# Altium PCB PCB2.PcbDoc (part 10 of 16) (continued)
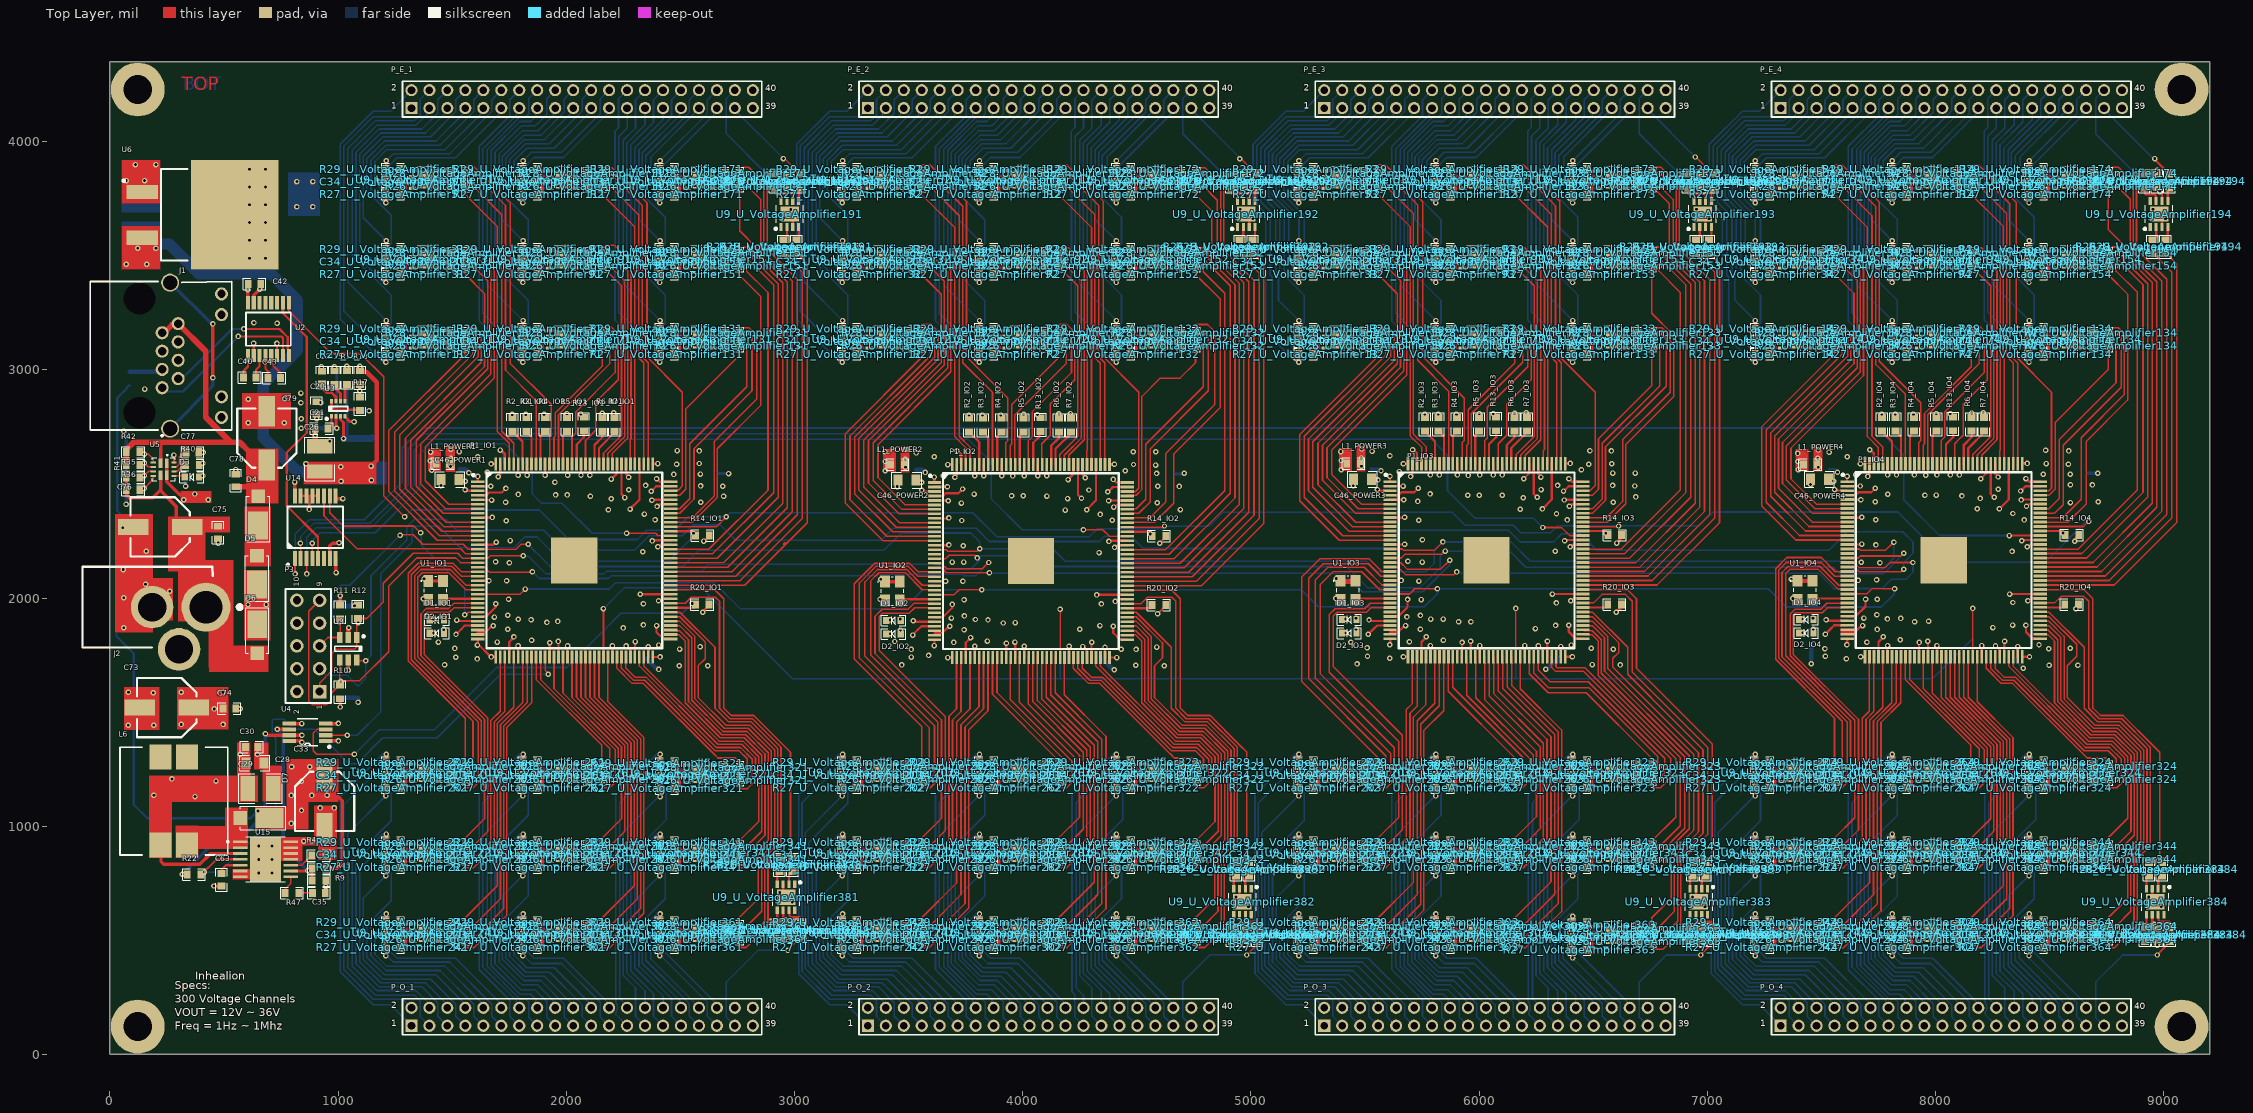
[diagram p0: Top Layer view]
## Nets (pads, with @x,y where several pads share a name; then routed paths per layer and width w, separated by ;. In a path a pad name is that pad's centre, name@x,y a point inside that pad or via, vN(x,y) a via of type N, cw(c..) or ccw(c..) an arc to the next point about the centre after c; other vN are vias at no path point) (continued)
V_F1_IN13: P1_IO1.131 R26_U_VoltageAmplifier71.1 | length 604.6
  Top Layer w7: P1_IO1.131@1946.14,2587.29 1946.14,2703.83 1951.83,2709.51 1951.83,2810.91 2156.63,3015.71 R26_U_VoltageAmplifier71.1@2156.63,3104.72
V_F1_IN14: P1_IO1.124 R28_U_VoltageAmplifier71.1 | length 716.3
  Top Layer w7: P1_IO1.124@2083.94,2587.29 2083.94,2689.63 2129.46,2735.15 2129.46,2858.86 2227.59,2956.99 2227.59,3157.5 2194.91,3190.18 2171.8,3190.18 R28_U_VoltageAmplifier71.1@2159.62,3178
V_F1_IN15: P1_IO1.127 R26_U_VoltageAmplifier81.1 | length 696.4
  Top Layer w7: P1_IO1.127@2024.89,2587.29 2024.89,2705.37 2040.96,2721.44 2040.96,2815.61 2213.59,2988.24 2213.59,3139.68 v1(2191.09,3162.18)
  Bottom Layer w10: R26_U_VoltageAmplifier81.1@2157.09,3162.18 v1(2191.09,3162.18)
V_F1_IN16: P1_IO1.130 R28_U_VoltageAmplifier81.1 | length 645.2
  Top Layer w7: P1_IO1.130@1965.83,2587.29 1965.83,2802.48 2191.09,3027.74 v1(2191.09,3105.18)
  Bottom Layer w10: R28_U_VoltageAmplifier81.1@2157.09,3105.18 v1(2191.09,3105.18)
V_F1_IN17: P1_IO1.120 R26_U_VoltageAmplifier91.1 | length 935.6
  Top Layer w7: R26_U_VoltageAmplifier91.1@2157.09,3455.18 2157.09,3452.68 2241.59,3368.18 2241.59,2713.07 2162.68,2634.16 P1_IO1.120@2162.68,2587.29
V_F1_IN18: P1_IO1.114 R28_U_VoltageAmplifier91.1 | length 1069.9
  Top Layer w7: R28_U_VoltageAmplifier91.1@2157.09,3512.18 2159.71,3514.81 2159.71,3536.08 2169.22,3545.59 2211.26,3545.59 2283.59,3473.26 2283.59,2695.67 2280.79,2692.88 P1_IO1.114@2280.79,2587.29
V_F1_IN19: P1_IO1.118 R26_U_VoltageAmplifier101.1 | length 1019.4
  Top Layer w7: v1(2191.09,3512.18) 2269.59,3433.68 2269.59,2701.47 2202.05,2633.93 P1_IO1.118@2202.05,2587.29
  Bottom Layer w10: R26_U_VoltageAmplifier101.1@2157.09,3512.18 v1(2191.09,3512.18)
V_F1_IN20: P1_IO1.119 R28_U_VoltageAmplifier101.1 | length 958.9
  Top Layer w7: P1_IO1.119@2182.37,2587.29 2182.37,2634.05 2255.59,2707.27 2255.59,3390.68 v1(2191.09,3455.18)
  Bottom Layer w10: R28_U_VoltageAmplifier101.1@2157.09,3455.18 v1(2191.09,3455.18)
V_F1_IN21: P1_IO1.113 R26_U_VoltageAmplifier111.1 | length 1277.7
  Top Layer w7: R26_U_VoltageAmplifier111.1@2156.63,3804.72 2157.09,3804.26 2157.09,3768.18 2300.48,3624.79 2300.48,3050.58 P1_IO1.113@2300.48,2587.29
  Top Layer w10: R26_U_VoltageAmplifier111.1@2156.63,3804.72 R26_U_VoltageAmplifier111.1@2157.09,3805.18
V_F1_IN22: P1_IO1.106 R28_U_VoltageAmplifier111.1 | length 1639.7
  Top Layer w7: R28_U_VoltageAmplifier111.1@2157.09,3862.18 2157.09,3864.68 2157.55,3865.14 2178.49,3886.08 2199.01,3886.08 2353.59,3731.5 2353.59,3056.86 2508.36,2902.09 2508.36,2490.42 2489.99,2472.06 2459.89,2472.06 P1_IO1.106@2457.48,2469.65
  Top Layer w10: R28_U_VoltageAmplifier111.1@2157.09,3862.18 2157.55,3862.64 R28_U_VoltageAmplifier111.1@2157.55,3865.14
V_F1_IN23: P1_IO1.110 R26_U_VoltageAmplifier121.1 | length 1378.7
  Top Layer w7: v1(2191.09,3862.18) 2333.13,3720.14 2333.13,3057.52 2359.53,3031.12 P1_IO1.110@2359.53,2587.29
  Bottom Layer w10: R26_U_VoltageAmplifier121.1@2157.09,3862.18 v1(2191.09,3862.18)
V_F1_IN24: P1_IO1.111 R28_U_VoltageAmplifier121.1 | length 1313.5
  Top Layer w7: v1(2191.09,3805.18) 2317.62,3678.65 2317.62,3053.23 2339.85,3031 P1_IO1.111@2339.85,2587.29
  Bottom Layer w10: R28_U_VoltageAmplifier121.1@2157.09,3805.18 v1(2191.09,3805.18)
V_F1_IN25: P1_IO1.105 R26_U_VoltageAmplifier131.1 | length 802.5
  Top Layer w7: P1_IO1.105@2457.48,2449.97 2497.02,2449.97 2523.55,2476.5 2523.55,2827.89 2757.09,3061.42 R26_U_VoltageAmplifier131.1@2757.09,3105.18
V_F1_IN26: P1_IO1.100 R28_U_VoltageAmplifier131.1 | length 1113.3
  Top Layer w7: P1_IO1.100@2457.48,2351.54 2552.83,2351.54 2647.36,2446.07 2647.36,2684.85 2834.34,2871.83 2834.34,3150.75 2800.41,3184.68 2777.09,3184.68 2757.09,3164.68 R28_U_VoltageAmplifier131.1@2757.09,3162.18
V_F1_IN27: P1_IO1.101 R26_U_VoltageAmplifier141.1 | length 1005
  Top Layer w7: P1_IO1.101@2457.48,2371.23 2497.13,2371.23 2559.56,2433.65 2559.56,2653.81 2813.59,2907.84 2813.59,3139.68 v1(2791.09,3162.18)
  Bottom Layer w10: R26_U_VoltageAmplifier141.1@2757.09,3162.18 v1(2791.09,3162.18)
V_F1_IN28: P1_IO1.102 R28_U_VoltageAmplifier141.1 | length 909.6
  Top Layer w7: P1_IO1.102@2457.48,2390.91 2497.02,2390.91 2540.82,2434.71 2540.82,2675.72 2791.09,2925.99 v1(2791.09,3105.18)
  Bottom Layer w10: R28_U_VoltageAmplifier141.1@2757.09,3105.18 v1(2791.09,3105.18)
V_F1_IN29: P1_IO1.99 R26_U_VoltageAmplifier151.1 | length 1383.1
  Top Layer w7: P1_IO1.99@2457.48,2331.86 2552.95,2331.86 2661.36,2440.27 2661.36,2654.2 2852.85,2845.69 2852.85,3320.67 2756.63,3416.89 2756.63,3454.72 R26_U_VoltageAmplifier151.1@2757.09,3455.18
V_F1_IN30: P1_IO1.91 R28_U_VoltageAmplifier151.1 | length 1786.6
  Top Layer w7: P1_IO1.91@2457.48,2174.38 2457.68,2174.18 2661.83,2174.18 2928.93,2441.28 2928.93,3375.59 2816.03,3488.49 2816.03,3520.56 2799.31,3537.28 2775.99,3537.28 2755.99,3517.28 R28_U_VoltageAmplifier151.1@2755.99,3514.78
  Top Layer w10: R28_U_VoltageAmplifier151.1@2755.99,3514.78 R28_U_VoltageAmplifier151.1@2756.45,3515.24
V_F1_IN31: P1_IO1.92 R26_U_VoltageAmplifier161.1 | length 1698.1
  Top Layer w7: P1_IO1.92@2457.48,2194.06 2457.68,2193.87 2640.64,2193.87 2908.36,2461.58 2908.36,3371.23 2789.99,3489.6 v1@2789.99,3514.78
  Bottom Layer w10: R26_U_VoltageAmplifier161.1@2757.09,3512.18 v1(2791.09,3512.18)
V_F1_IN32: P1_IO1.93 R28_U_VoltageAmplifier161.1 | length 1591.7
  Top Layer w7: P1_IO1.93@2457.48,2213.75 2457.68,2213.55 2624.62,2213.55 2883.87,2472.81 2883.87,3338.32 2789.99,3432.21 v1@2789.99,3457.78
  Bottom Layer w10: R28_U_VoltageAmplifier161.1@2757.09,3455.18 v1(2791.09,3455.18)
V_F1_IN33: P1_IO1.90 R26_U_VoltageAmplifier171.1 | length 2069.1
  Top Layer w7: P1_IO1.90@2457.48,2154.69 2457.68,2154.5 2689.1,2154.5 2948.52,2413.92 2948.52,3381.28 2833.57,3496.22 2833.57,3535.05 2759.39,3609.23 2759.39,3802.87 R26_U_VoltageAmplifier171.1@2757.09,3805.18
V_F1_IN34: P1_IO1.87 R28_U_VoltageAmplifier171.1 | length 2331.4
  Top Layer w7: P1_IO1.87@2457.48,2095.64 2457.68,2095.44 2742.21,2095.44 3012.18,2365.41 3012.18,3395.4 2879.86,3527.72 2879.86,3806.72 2799.31,3887.28 2775.99,3887.28 2755.99,3867.28 R28_U_VoltageAmplifier171.1@2755.99,3864.78
  Top Layer w10: R28_U_VoltageAmplifier171.1@2755.99,3864.78 R28_U_VoltageAmplifier171.1@2756.45,3865.24
V_F1_IN35: P1_IO1.88 R26_U_VoltageAmplifier181.1 | length 2244.3
  Top Layer w7: P1_IO1.88@2457.48,2115.32 2457.68,2115.13 2726.24,2115.13 2989.65,2378.54 2989.65,3388.76 2865.86,3512.55 2865.86,3788.9 v1@2789.99,3864.78
  Bottom Layer w10: R26_U_VoltageAmplifier181.1@2757.09,3862.18 v1(2791.09,3862.18)
V_F1_IN36: P1_IO1.89 R28_U_VoltageAmplifier181.1 | length 2138.4
  Top Layer w7: P1_IO1.89@2457.48,2135.01 2457.68,2134.81 2706.8,2134.81 2968.11,2396.12 2968.11,3384.38 2851.86,3500.62 2851.86,3745.9 v1@2789.99,3807.78
  Bottom Layer w10: R28_U_VoltageAmplifier181.1@2757.09,3805.18 v1(2791.09,3805.18)
V_F1_IN37: P1_IO1.86 R26_U_VoltageAmplifier191.1 | length 1888.6
  Top Layer w7: P1_IO1.86@2457.48,2075.95 2457.68,2075.76 2760.78,2075.76 3034.71,2349.68 3034.71,3427.4 R26_U_VoltageAmplifier191.1@2949.75,3512.36
V_F1_IN38: P1_IO1.85 R28_U_VoltageAmplifier191.1 | length 1915.1
  Top Layer w7: P1_IO1.85@2457.48,2056.27 2457.68,2056.07 2781.97,2056.07 3055.28,2329.38 3055.28,3463.84 R28_U_VoltageAmplifier191.1@3006.75,3512.36
  Top Layer w15: 2956.19,2237.76 2956.87,2237.08
V_F1_IN39: P1_IO1.25 R26_U_VoltageAmplifier201.1 | length 1424.5
  Top Layer w7: R26_U_VoltageAmplifier201.1@1556.63,1204.72 1556.63,1172.28 1560.73,1168.18 1591.41,1168.18 1627.59,1204.36 1627.59,1462.68 1348.98,1741.28 1348.98,2090.73 1368.98,2110.72 1485.94,2110.72 1560.08,2036.58 P1_IO1.25@1611.97,2036.58
  Top Layer w10: R26_U_VoltageAmplifier201.1@1556.63,1204.72 R26_U_VoltageAmplifier201.1@1557.09,1205.18
V_F1_IN40: P1_IO1.21 R28_U_VoltageAmplifier201.1 | length 1288.9
  Top Layer w7: R28_U_VoltageAmplifier201.1@1557.55,1262.64 1557.55,1473.33 1306.98,1723.89 1306.98,2108.12 1351.58,2152.72 1503.34,2152.72 1540.74,2115.32 P1_IO1.21@1611.97,2115.32
  Top Layer w10: R28_U_VoltageAmplifier201.1@1557.09,1262.18 R28_U_VoltageAmplifier201.1@1557.55,1262.64
V_F1_IN41: P1_IO1.22 R26_U_VoltageAmplifier211.1 | length 1309.9
  Top Layer w7: v1(1591.09,1262.18) 1591.09,1459.58 1320.98,1729.69 1320.98,2102.33 1357.38,2138.72 1497.54,2138.72 1540.62,2095.64 P1_IO1.22@1611.97,2095.64
  Bottom Layer w10: R26_U_VoltageAmplifier211.1@1557.09,1262.18 v1(1591.09,1262.18)
V_F1_IN42: P1_IO1.24 R28_U_VoltageAmplifier211.1 | length 1367.1
  Top Layer w7: v1(1591.09,1205.18) 1613.59,1227.68 1613.59,1456.88 1334.98,1735.48 1334.98,2096.53 1363.18,2124.72 1491.74,2124.72 1560.19,2056.27 P1_IO1.24@1611.97,2056.27
  Bottom Layer w10: R28_U_VoltageAmplifier211.1@1557.09,1205.18 v1(1591.09,1205.18)
V_F1_IN43: P1_IO1.39 R26_U_VoltageAmplifier221.1 | length 1050.5
  Top Layer w7: R26_U_VoltageAmplifier221.1@1557.09,855.18 1557.09,822.74 1561.19,818.64 1594.31,818.64 1683.59,907.92 1683.59,1456.28 1729.61,1502.3 P1_IO1.39@1729.61,1741.78
V_F1_IN44: P1_IO1.28 R28_U_VoltageAmplifier221.1 | length 1437.1
  Top Layer w7: R28_U_VoltageAmplifier221.1@1557.09,912.18 1557.55,912.64 1557.55,948.72 1641.59,1032.76 1641.59,1468.48 1362.98,1747.08 1362.98,1930.39 1386.55,1953.96 1484.04,1953.96 1507.61,1977.53 P1_IO1.28@1611.97,1977.53
V_F1_IN45: P1_IO1.29 R26_U_VoltageAmplifier231.1 | length 1437.3
  Top Layer w7: v1(1591.09,912.18) 1655.59,976.68 1655.59,1474.28 1376.98,1752.88 1376.98,1924.59 1389.85,1937.46 1487.34,1937.46 1507.72,1957.84 P1_IO1.29@1611.97,1957.84
  Bottom Layer w10: R26_U_VoltageAmplifier231.1@1557.09,912.18 v1(1591.09,912.18)
V_F1_IN46: P1_IO1.38 R28_U_VoltageAmplifier231.1 | length 969.8
  Top Layer w7: v1(1591.09,855.18) 1669.59,933.68 1669.59,1463.92 1709.92,1504.26 P1_IO1.38@1709.92,1741.78
  Bottom Layer w10: R28_U_VoltageAmplifier231.1@1557.09,855.18 v1(1591.09,855.18)
V_F1_IN47: P1_IO1.45 R26_U_VoltageAmplifier241.1 | length 1451
  Top Layer w7: R26_U_VoltageAmplifier241.1@1557.09,505.18 1557.09,472.74 1561.19,468.64 1596.89,468.64 1739.59,611.34 1739.59,1433.09 1847.72,1541.22 P1_IO1.45@1847.72,1741.78
V_F1_IN48: P1_IO1.41 R28_U_VoltageAmplifier241.1 | length 1267.4
  Top Layer w7: R28_U_VoltageAmplifier241.1@1557.09,562.18 1557.55,562.64 1557.55,598.72 1697.59,738.76 1697.59,1450.48 1768.98,1521.87 P1_IO1.41@1768.98,1741.78
V_F1_IN49: P1_IO1.43 R26_U_VoltageAmplifier251.1 | length 1303.6
  Top Layer w7: v1(1591.09,562.18) 1711.59,682.68 1711.59,1444.68 1808.35,1541.45 P1_IO1.43@1808.35,1741.78
  Bottom Layer w10: R26_U_VoltageAmplifier251.1@1557.09,562.18 v1(1591.09,562.18)
V_F1_IN50: P1_IO1.44 R28_U_VoltageAmplifier251.1 | length 1368.7
  Top Layer w7: v1(1591.09,505.18) 1725.59,639.68 1725.59,1438.88 1828.03,1541.33 P1_IO1.44@1828.03,1741.78
  Bottom Layer w10: R28_U_VoltageAmplifier251.1@1557.09,505.18 v1(1591.09,505.18)
V_F1_IN51: P1_IO1.52 R26_U_VoltageAmplifier261.1 | length 756
  Top Layer w7: P1_IO1.52@1985.51,1741.78 1985.51,1584.06 2227.59,1341.99 2227.59,1206.3 2189.92,1168.64 2161.19,1168.64 2157.09,1172.74 R26_U_VoltageAmplifier261.1@2157.09,1205.18
V_F1_IN52: P1_IO1.46 R28_U_VoltageAmplifier261.1 | length 600.2
  Top Layer w7: P1_IO1.46@1867.4,1741.78 1867.4,1642.77 2154.65,1355.53 2154.65,1264.62 R28_U_VoltageAmplifier261.1@2157.09,1262.18
  Top Layer w10: R28_U_VoltageAmplifier261.1@2157.09,1262.18 R28_U_VoltageAmplifier261.1@2157.55,1262.64
V_F1_IN53: P1_IO1.47 R26_U_VoltageAmplifier271.1 | length 639.5
  Top Layer w7: P1_IO1.47@1887.09,1741.78 1887.09,1642.89 2191.09,1338.89 v1(2191.09,1262.18)
  Bottom Layer w10: R26_U_VoltageAmplifier271.1@2157.09,1262.18 v1(2191.09,1262.18)
V_F1_IN54: P1_IO1.50 R28_U_VoltageAmplifier271.1 | length 690.7
  Top Layer w7: P1_IO1.50@1946.14,1741.78 1946.14,1603.63 2213.59,1336.19 2213.59,1227.68 v1(2191.09,1205.18)
  Bottom Layer w10: R28_U_VoltageAmplifier271.1@2157.09,1205.18 v1(2191.09,1205.18)
V_F1_IN55: P1_IO1.57 R26_U_VoltageAmplifier281.1 | length 1112.8
  Top Layer w7: P1_IO1.57@2083.94,1741.78 2083.94,1564.83 2283.59,1365.18 2283.59,910.32 2191.9,818.64 2161.19,818.64 2157.09,822.74 R26_U_VoltageAmplifier281.1@2157.09,855.18
V_F1_IN56: P1_IO1.54 R28_U_VoltageAmplifier281.1 | length 954.4
  Top Layer w7: P1_IO1.54@2024.89,1741.78 2024.89,1564.49 2241.59,1347.79 2241.59,1032.76 2157.55,948.72 2157.55,912.64 R28_U_VoltageAmplifier281.1@2157.09,912.18
V_F1_IN57: P1_IO1.55 R26_U_VoltageAmplifier291.1 | length 977.7
  Top Layer w7: P1_IO1.55@2044.57,1741.78 2044.57,1564.6 2255.59,1353.59 2255.59,976.68 v1(2191.09,912.18)
  Bottom Layer w10: R26_U_VoltageAmplifier291.1@2157.09,912.18 v1(2191.09,912.18)
V_F1_IN58: P1_IO1.56 R28_U_VoltageAmplifier291.1 | length 1038.2
  Top Layer w7: P1_IO1.56@2064.26,1741.78 2064.26,1564.72 2269.59,1359.39 2269.59,933.68 v1(2191.09,855.18)
  Bottom Layer w10: R28_U_VoltageAmplifier291.1@2157.09,855.18 v1(2191.09,855.18)
V_F1_IN59: P1_IO1.62 R26_U_VoltageAmplifier301.1 | length 1468.7
  Top Layer w7: R26_U_VoltageAmplifier301.1@2156.63,504.72 2156.63,472.28 2160.73,468.18 2189.74,468.18 2339.59,618.03 2339.59,1388.38 2182.37,1545.6 P1_IO1.62@2182.37,1741.78
  Top Layer w10: R26_U_VoltageAmplifier301.1@2156.63,504.72 R26_U_VoltageAmplifier301.1@2157.09,505.18
V_F1_IN60: P1_IO1.58 R28_U_VoltageAmplifier301.1 | length 1318.1
  Top Layer w7: P1_IO1.58@2103.63,1741.78 2103.63,1564.94 2297.59,1370.98 2297.59,738.76 2157.55,598.72 2157.55,562.64 R28_U_VoltageAmplifier301.1@2157.09,562.18
V_F1_IN61: P1_IO1.59 R26_U_VoltageAmplifier311.1 | length 1341.5
  Top Layer w7: P1_IO1.59@2123.31,1741.78 2123.31,1565.06 2311.59,1376.78 2311.59,682.68 v1(2191.09,562.18)
  Bottom Layer w10: R26_U_VoltageAmplifier311.1@2157.09,562.18 v1(2191.09,562.18)
V_F1_IN62: P1_IO1.60 R28_U_VoltageAmplifier311.1 | length 1401.9
  Top Layer w7: P1_IO1.60@2143,1741.78 2143,1565.17 2325.59,1382.58 2325.59,639.68 v1(2191.09,505.18)
  Bottom Layer w10: R28_U_VoltageAmplifier311.1@2157.09,505.18 v1(2191.09,505.18)
V_F1_IN63: P1_IO1.69 R26_U_VoltageAmplifier321.1 | length 934.5
  Top Layer w7: P1_IO1.69@2320.16,1741.78 2320.16,1702.13 2663.23,1359.06 2768.63,1359.06 2828.76,1298.93 2828.76,1199.6 2793.98,1164.82 2762.13,1164.82 2758.03,1168.92 R26_U_VoltageAmplifier321.1@2758.03,1201.36
  Top Layer w10: R26_U_VoltageAmplifier321.1@2757.8,1201.13 R26_U_VoltageAmplifier321.1@2758.26,1201.59
V_F1_IN64: P1_IO1.64 R28_U_VoltageAmplifier321.1 | length 781.4
  Top Layer w7: P1_IO1.64@2221.74,1741.78 2221.74,1692.04 2288.18,1625.59 2337.3,1625.59 2645.83,1317.06 2646.23,1317.06 2664.56,1298.72 2743.06,1298.72 2758.26,1283.52 R28_U_VoltageAmplifier321.1@2758.26,1258.59
  Top Layer w10: R28_U_VoltageAmplifier321.1@2757.55,1259.31 R28_U_VoltageAmplifier321.1@2758.26,1258.59
V_F1_IN65: P1_IO1.65 R26_U_VoltageAmplifier331.1 | length 835.8
  Top Layer w7: P1_IO1.65@2241.42,1741.66 2241.42,1692.15 2293.98,1639.59 2343.1,1639.59 2651.63,1331.06 2757.03,1331.06 2792.26,1295.83 v1(2792.26,1258.59)
  Bottom Layer w10: R26_U_VoltageAmplifier331.1@2758.26,1258.59 v1(2792.26,1258.59)
V_F1_IN66: P1_IO1.66 R28_U_VoltageAmplifier331.1 | length 903.4
  Top Layer w7: P1_IO1.66@2261.11,1741.78 2261.11,1692.26 2299.78,1653.59 2348.9,1653.59 2657.43,1345.06 2762.83,1345.06 2814.76,1293.13 2814.76,1224.09 v1(2792.26,1201.59)
  Bottom Layer w10: R28_U_VoltageAmplifier331.1@2758.26,1201.59 v1(2792.26,1201.59)
V_F1_IN67: P1_IO1.76 R26_U_VoltageAmplifier341.1 | length 1430.6
  Top Layer w7: P1_IO1.76@2457.48,1879.1 2496.09,1879.1 2549.46,1825.73 2549.46,1552.03 2686.43,1415.06 2791.82,1415.06 2884.76,1322.12 2884.76,938.05 2827.89,881.19 2827.89,854.45 2791.63,818.18 2760.73,818.18 2756.63,822.28 R26_U_VoltageAmplifier341.1@2756.63,854.72
  Top Layer w10: R26_U_VoltageAmplifier341.1@2756.63,854.72 R26_U_VoltageAmplifier341.1@2757.09,855.18
V_F1_IN68: P1_IO1.70 R28_U_VoltageAmplifier341.1 | length 1135.8
  Top Layer w7: P1_IO1.70@2339.85,1741.78 2339.85,1702.24 2669.03,1373.06 2774.42,1373.06 2842.76,1304.72 2842.76,1020.81 2757.09,935.13 R28_U_VoltageAmplifier341.1@2757.09,912.18
  Top Layer w10: R28_U_VoltageAmplifier341.1@2757.09,912.18 R28_U_VoltageAmplifier341.1@2757.55,912.64
V_F1_IN69: P1_IO1.74 R26_U_VoltageAmplifier351.1 | length 1236.7
  Top Layer w7: P1_IO1.74@2457.48,1839.73 2493.02,1839.73 2521.46,1811.29 2521.46,1540.43 2674.83,1387.06 2780.22,1387.06 2856.76,1310.52 2856.76,977.85 v1(2791.09,912.18)
  Bottom Layer w10: R26_U_VoltageAmplifier351.1@2757.09,912.18 v1(2791.09,912.18)
V_F1_IN70: P1_IO1.75 R28_U_VoltageAmplifier351.1 | length 1325
  Top Layer w7: P1_IO1.75@2457.48,1859.42 2459.89,1857.01 2495.54,1857.01 2535.46,1817.09 2535.46,1546.23 2680.63,1401.06 2786.02,1401.06 2870.76,1316.32 2870.76,960.03 2791.09,880.36 v1(2791.09,855.18)
  Bottom Layer w10: R28_U_VoltageAmplifier351.1@2757.09,855.18 v1(2791.09,855.18)
V_F1_IN71: P1_IO1.81 R26_U_VoltageAmplifier361.1 | length 2047.1
  Top Layer w7: P1_IO1.81@2457.48,1977.53 2520.88,1977.53 2547.14,2003.79 2653.06,2003.79 2671.26,1985.59 2671.26,1516.86 2717.06,1471.06 2815.59,1471.06 2935.26,1351.39 2935.26,1351.09 2940.76,1345.59 2940.76,914.86 2883.89,857.99 2883.89,564.11 2788.42,468.64 2761.19,468.64 2757.09,472.74 R26_U_VoltageAmplifier361.1@2757.09,505.18
V_F1_IN72: P1_IO1.77 R28_U_VoltageAmplifier361.1 | length 1663.1
  Top Layer w7: P1_IO1.77@2457.48,1898.79 2496.2,1898.79 2563.46,1831.53 2563.46,1557.82 2692.23,1429.06 2797.62,1429.06 2898.76,1327.92 2898.76,932.25 2841.89,875.39 2841.89,683.07 2757.09,598.26 R28_U_VoltageAmplifier361.1@2757.09,562.18
  Top Layer w10: R28_U_VoltageAmplifier361.1@2757.09,562.18 R28_U_VoltageAmplifier361.1@2757.55,562.64
V_F1_IN73: P1_IO1.78 R26_U_VoltageAmplifier371.1 | length 1739.9
  Top Layer w7: P1_IO1.78@2457.48,1918.47 2497.02,1918.47 2608.46,1807.03 2608.46,1734.3 2577.46,1703.3 2577.46,1563.62 2698.02,1443.06 2803.42,1443.06 2912.76,1333.72 2912.76,926.45 2855.89,869.59 2855.89,626.99 v1(2791.09,562.18)
  Bottom Layer w10: R26_U_VoltageAmplifier371.1@2757.09,562.18 v1(2791.09,562.18)
V_F1_IN74: P1_IO1.79 R28_U_VoltageAmplifier371.1 | length 1798.5
  Top Layer w7: P1_IO1.79@2457.48,1938.16 2497.13,1938.16 2651.31,1783.98 2651.31,1517.01 2711.26,1457.06 2809.79,1457.06 2921.26,1345.59 2921.26,1345.02 2926.76,1339.52 2926.76,920.66 2869.89,863.79 2869.89,583.99 v1(2791.09,505.18)
  Bottom Layer w10: R28_U_VoltageAmplifier371.1@2757.09,505.18 v1(2791.09,505.18)
V_F1_IN75: P1_IO1.84 R26_U_VoltageAmplifier381.1 | length 1567
  Top Layer w7: P1_IO1.84@2457.48,2036.58 2650.2,2036.58 2689.78,1997 2689.78,1518.13 2722.86,1485.06 2821.39,1485.06 2949.26,1357.19 2949.26,1356.89 2982.45,1323.7 2982.45,870.64 R26_U_VoltageAmplifier381.1@2991.67,861.42
V_F2_IN1: P1_IO2.14 R26_U_VoltageAmplifier12.1 | length 1283.6
  Top Layer w7: R26_U_VoltageAmplifier12.1@3557.73,3102.12 3557.73,3054.54 3223.11,2719.92 3223.11,2415.31 3387.9,2250.52 P1_IO2.14@3613.07,2250.52
V_F2_IN2: P1_IO2.11 R28_U_VoltageAmplifier12.1 | length 1356.6
  Top Layer w7: R28_U_VoltageAmplifier12.1@3557.09,3162.18 3557.09,3194.62 3561.19,3198.72 3599.54,3198.72 3628.69,3169.57 3628.69,3045.7 3281.92,2698.94 3281.92,2473.43 3445.78,2309.57 P1_IO2.11@3613.07,2309.57
V_F2_IN3: P1_IO2.12 R26_U_VoltageAmplifier22.1 | length 1310.4
  Top Layer w7: v1@3592.19,3159.58 3614.69,3137.08 3614.69,3055.6 3263.26,2704.18 3263.26,2457.18 3430.55,2289.89 P1_IO2.12@3613.07,2289.89
  Bottom Layer w10: R26_U_VoltageAmplifier22.1@3557.09,3162.18 v1(3591.09,3162.18)
V_F2_IN4: P1_IO2.13 R28_U_VoltageAmplifier22.1 | length 1286.7
  Top Layer w7: v1@3592.19,3102.58 3592.19,3059.36 3243.25,2710.43 3243.25,2430.76 3403.81,2270.2 P1_IO2.13@3613.07,2270.2
  Bottom Layer w10: R28_U_VoltageAmplifier22.1@3557.09,3105.18 v1(3591.09,3105.18)
V_F2_IN5: P1_IO2.10 R26_U_VoltageAmplifier32.1 | length 1519.3
  Top Layer w7: R26_U_VoltageAmplifier32.1@3557.09,3455.18 3557.09,3416.68 3642.69,3331.08 3642.69,3031.77 3303.98,2693.07 3303.98,2485.33 3460.05,2329.26 P1_IO2.10@3613.07,2329.26
V_F2_IN6: P1_IO2.6 R28_U_VoltageAmplifier32.1 | length 1554.9
  Top Layer w7: R28_U_VoltageAmplifier32.1@3558.19,3509.58 3558.19,3542.02 3562.29,3546.12 3594.04,3546.12 3684.69,3455.48 3684.69,2991.13 3365.63,2672.06 3365.63,2528.14 3485.77,2408 P1_IO2.6@3613.07,2408
V_F2_IN7: P1_IO2.7 R26_U_VoltageAmplifier42.1 | length 1517
  Top Layer w7: v1@3592.19,3509.58 3670.69,3431.08 3670.69,3006.76 3344.7,2680.78 3344.7,2515.02 3471.41,2388.31 P1_IO2.7@3613.07,2388.31
  Bottom Layer w10: R26_U_VoltageAmplifier42.1@3557.09,3512.18 v1(3591.09,3512.18)
V_F2_IN8: P1_IO2.8 R28_U_VoltageAmplifier42.1 | length 1492
  Top Layer w7: v1@3592.19,3452.58 3656.69,3388.08 3656.69,3021.26 3324.34,2688.92 3324.34,2503.53 3459.25,2368.63 P1_IO2.8@3613.07,2368.63
  Bottom Layer w10: R28_U_VoltageAmplifier42.1@3557.09,3455.18 v1(3591.09,3455.18)
V_F2_IN9: P1_IO2.141 R26_U_VoltageAmplifier52.1 | length 1297.9
  Top Layer w7: R26_U_VoltageAmplifier52.1@3556.63,3804.72 3556.63,3768.64 3701.65,3623.62 3701.65,2707.39 3749.29,2659.74 P1_IO2.141@3749.29,2587.29
  Top Layer w10: R26_U_VoltageAmplifier52.1@3556.63,3804.72 R26_U_VoltageAmplifier52.1@3557.09,3805.18
V_F2_IN10: P1_IO2.132 R28_U_VoltageAmplifier52.1 | length 1526.3
  Top Layer w7: R28_U_VoltageAmplifier52.1@3557.09,3862.18 3557.09,3894.62 3561.19,3898.72 3592.25,3898.72 3753.59,3737.39 3753.59,3056.86 3935.05,2875.4 3935.05,2710.45 3935.05,2690.13 3926.46,2681.54 P1_IO2.132@3926.46,2587.29
V_F2_IN11: P1_IO2.135 R26_U_VoltageAmplifier62.1 | length 1423.3
  Top Layer w7: v1(3591.09,3862.18) 3737.01,3716.26 3737.01,3031.46 3867.4,2901.07 P1_IO2.135@3867.4,2587.29
  Bottom Layer w10: R26_U_VoltageAmplifier62.1@3557.09,3862.18 v1(3591.09,3862.18)
V_F2_IN12: P1_IO2.140 R28_U_VoltageAmplifier62.1 | length 1325.6
  Top Layer w7: v1(3591.09,3805.18) 3721.29,3674.98 3721.29,2709.1 3768.98,2661.41 P1_IO2.140@3768.98,2587.29
  Bottom Layer w10: R28_U_VoltageAmplifier62.1@3557.09,3805.18 v1(3591.09,3805.18)
V_F2_IN13: P1_IO2.131 R26_U_VoltageAmplifier72.1 | length 605.3
  Top Layer w7: P1_IO2.131@3946.14,2587.29 3946.14,2669.5 3951.83,2675.19 3951.83,2847.84 4156.63,3052.63 R26_U_VoltageAmplifier72.1@4156.63,3104.72
  Top Layer w10: R26_U_VoltageAmplifier72.1@4156.63,3104.72 R26_U_VoltageAmplifier72.1@4157.09,3105.18
V_F2_IN14: P1_IO2.124 R28_U_VoltageAmplifier72.1 | length 753.2
  Top Layer w7: P1_IO2.124@4083.94,2587.29 4083.94,2676.54 4120.97,2713.57 4120.97,2850.37 4227.59,2956.99 4227.59,3164.89 4193.75,3198.72 4161.19,3198.72 ; R28_U_VoltageAmplifier72.1@4157.09,3162.18 4157.09,3194.62 4159.37,3196.9
V_F2_IN15: P1_IO2.127 R26_U_VoltageAmplifier82.1 | length 696.4
  Top Layer w7: P1_IO2.127@4024.89,2587.29 4024.89,2689.88 4040.96,2705.95 4040.96,2815.61 4213.59,2988.24 4213.59,3139.68 v1(4191.09,3162.18)
  Bottom Layer w10: R26_U_VoltageAmplifier82.1@4157.09,3162.18 v1(4191.09,3162.18)
V_F2_IN16: P1_IO2.130 R28_U_VoltageAmplifier82.1 | length 645.2
  Top Layer w7: P1_IO2.130@3965.83,2587.29 3965.83,2802.48 4191.09,3027.74 v1(4191.09,3105.18)
  Bottom Layer w10: R28_U_VoltageAmplifier82.1@4157.09,3105.18 v1(4191.09,3105.18)
V_F2_IN17: P1_IO2.120 R26_U_VoltageAmplifier92.1 | length 936.2
  Top Layer w7: R26_U_VoltageAmplifier92.1@4157.09,3455.18 4157.09,3452.68 4241.59,3368.18 4241.59,2708.04 4162.68,2629.14 P1_IO2.120@4162.68,2587.29
  Top Layer w10: R26_U_VoltageAmplifier92.1@4156.63,3454.72 R26_U_VoltageAmplifier92.1@4157.09,3455.18
V_F2_IN18: P1_IO2.114 R28_U_VoltageAmplifier92.1 | length 1037.8
  Top Layer w7: R28_U_VoltageAmplifier92.1@4157.09,3512.18 4157.09,3514.68 4177.09,3534.68 4200.41,3534.68 4283.59,3451.5 4283.59,2648.22 4280.79,2645.43 P1_IO2.114@4280.79,2587.29
  Top Layer w10: R28_U_VoltageAmplifier92.1@4157.09,3512.18 R28_U_VoltageAmplifier92.1@4157.55,3512.64
V_F2_IN19: P1_IO2.118 R26_U_VoltageAmplifier102.1 | length 1019.4
  Top Layer w7: v1(4191.09,3512.18) 4269.59,3433.68 4269.59,2693.62 4202.05,2626.08 P1_IO2.118@4202.05,2587.29
  Bottom Layer w10: R26_U_VoltageAmplifier102.1@4157.09,3512.18 v1(4191.09,3512.18)
V_F2_IN20: P1_IO2.119 R28_U_VoltageAmplifier102.1 | length 958.9
  Top Layer w7: P1_IO2.119@4182.37,2587.29 4182.37,2626.19 4188.05,2631.88 4255.59,2699.42 4255.59,3390.68 v1(4191.09,3455.18)
  Bottom Layer w10: R28_U_VoltageAmplifier102.1@4157.09,3455.18 v1(4191.09,3455.18)
V_F2_IN21: P1_IO2.113 R26_U_VoltageAmplifier112.1 | length 1279.4
  Top Layer w7: R26_U_VoltageAmplifier112.1@4157.09,3804.26 4157.09,3768.18 4301.58,3623.69 P1_IO2.113@4301.58,2584.69
V_F2_IN22: P1_IO2.106 R28_U_VoltageAmplifier112.1 | length 1674.1
  Top Layer w7: R28_U_VoltageAmplifier112.1@4157.09,3862.18 4157.09,3894.62 4161.19,3898.72 4192.26,3898.72 4353.59,3737.4 4353.59,3056.86 4508.36,2902.09 4508.36,2481.11 4493.5,2466.24 4459.39,2466.24 P1_IO2.106@4458.58,2467.05
V_F2_IN23: P1_IO2.110 R26_U_VoltageAmplifier122.1 | length 1378.7
  Top Layer w7: v1(4191.09,3862.18) 4333.13,3720.13 4333.13,3057.52 4359.53,3031.12 P1_IO2.110@4359.53,2587.29
  Bottom Layer w10: R26_U_VoltageAmplifier122.1@4157.09,3862.18 v1(4191.09,3862.18)
V_F2_IN24: P1_IO2.111 R28_U_VoltageAmplifier122.1 | length 1313.5
  Top Layer w7: v1(4191.09,3805.18) 4316.5,3679.76 4316.5,3051.69 4339.85,3028.35 P1_IO2.111@4339.85,2587.29
  Bottom Layer w10: R28_U_VoltageAmplifier122.1@4157.09,3805.18 v1(4191.09,3805.18)
V_F2_IN25: P1_IO2.105 R26_U_VoltageAmplifier132.1 | length 853.1
  Top Layer w7: P1_IO2.105@4457.48,2449.97 4497.02,2449.97 4522.44,2475.39 4522.44,2883.19 4603.05,2963.8 4689.47,2963.8 4757.09,3031.42 R26_U_VoltageAmplifier132.1@4757.09,3105.18
V_F2_IN26: P1_IO2.100 R28_U_VoltageAmplifier132.1 | length 1164.4
  Top Layer w7: P1_IO2.100@4457.48,2351.54 4557.66,2351.54 4626.53,2420.41 4626.53,2633.56 4840.9,2847.93 4840.9,3167.54 4809.72,3198.72 4761.19,3198.72 4757.09,3194.62 R28_U_VoltageAmplifier132.1@4757.09,3162.18
V_F2_IN27: P1_IO2.101 R26_U_VoltageAmplifier142.1 | length 1011.8
  Top Layer w7: P1_IO2.101@4457.48,2371.23 4508.66,2371.23 4559.56,2422.13 4559.56,2653.81 4813.59,2907.84 4813.59,3139.68 v1(4791.09,3162.18)
  Bottom Layer w10: R26_U_VoltageAmplifier142.1@4757.09,3162.18 v1(4791.09,3162.18)
V_F2_IN28: P1_IO2.102 R28_U_VoltageAmplifier142.1 | length 909.6
  Top Layer w7: P1_IO2.102@4457.48,2390.91 4497.02,2390.91 4538.58,2432.48 4538.58,2673.75 4791.09,2926.25 v1(4791.09,3105.18)
  Bottom Layer w10: R28_U_VoltageAmplifier142.1@4757.09,3105.18 v1(4791.09,3105.18)
V_F2_IN29: P1_IO2.99 R26_U_VoltageAmplifier152.1 | length 1408
  Top Layer w7: P1_IO2.99@4457.48,2331.86 4577.83,2331.86 4661.36,2415.39 4661.36,2631.09 4865.38,2835.12 4865.38,3309.88 4756.63,3418.64 R26_U_VoltageAmplifier152.1@4756.63,3454.72
  Top Layer w10: R26_U_VoltageAmplifier152.1@4756.63,3454.72 R26_U_VoltageAmplifier152.1@4757.09,3455.18
V_F2_IN30: P1_IO2.91 R28_U_VoltageAmplifier152.1 | length 1788.5
  Top Layer w7: P1_IO2.91@4458.58,2171.78 4458.78,2171.58 4662.93,2171.58 4930.03,2438.68 4930.03,3372.99 4813.59,3489.43 4813.59,3521.5 4800.41,3534.68 4772.69,3534.68 4768.59,3530.58 4768.59,3523.68 R28_U_VoltageAmplifier152.1@4757.09,3512.18
V_F2_IN31: P1_IO2.92 R26_U_VoltageAmplifier162.1 | length 1698.1
  Top Layer w7: P1_IO2.92@4458.58,2191.46 4458.78,2191.27 4641.74,2191.27 4909.46,2458.98 4909.46,3368.63 4791.09,3487 v1(4791.09,3512.18)
  Bottom Layer w10: R26_U_VoltageAmplifier162.1@4757.09,3512.18 v1(4791.09,3512.18)